# Altium PCB ARES_R06_Power.PcbDoc (part 3 of 4)
Units mm, origin at the board's own origin, x right, y up, seen from the top; angles counter-clockwise.
Board outline 75.45 x 77.99 mm, 6 copper layers (Top Layer, Mid Layer 1, Mid Layer 2, Mid Layer 3, Mid Layer 4, Bottom Layer), stack 1.58 mm thick; 168 components, 103 nets, 519 pads, 415 vias.
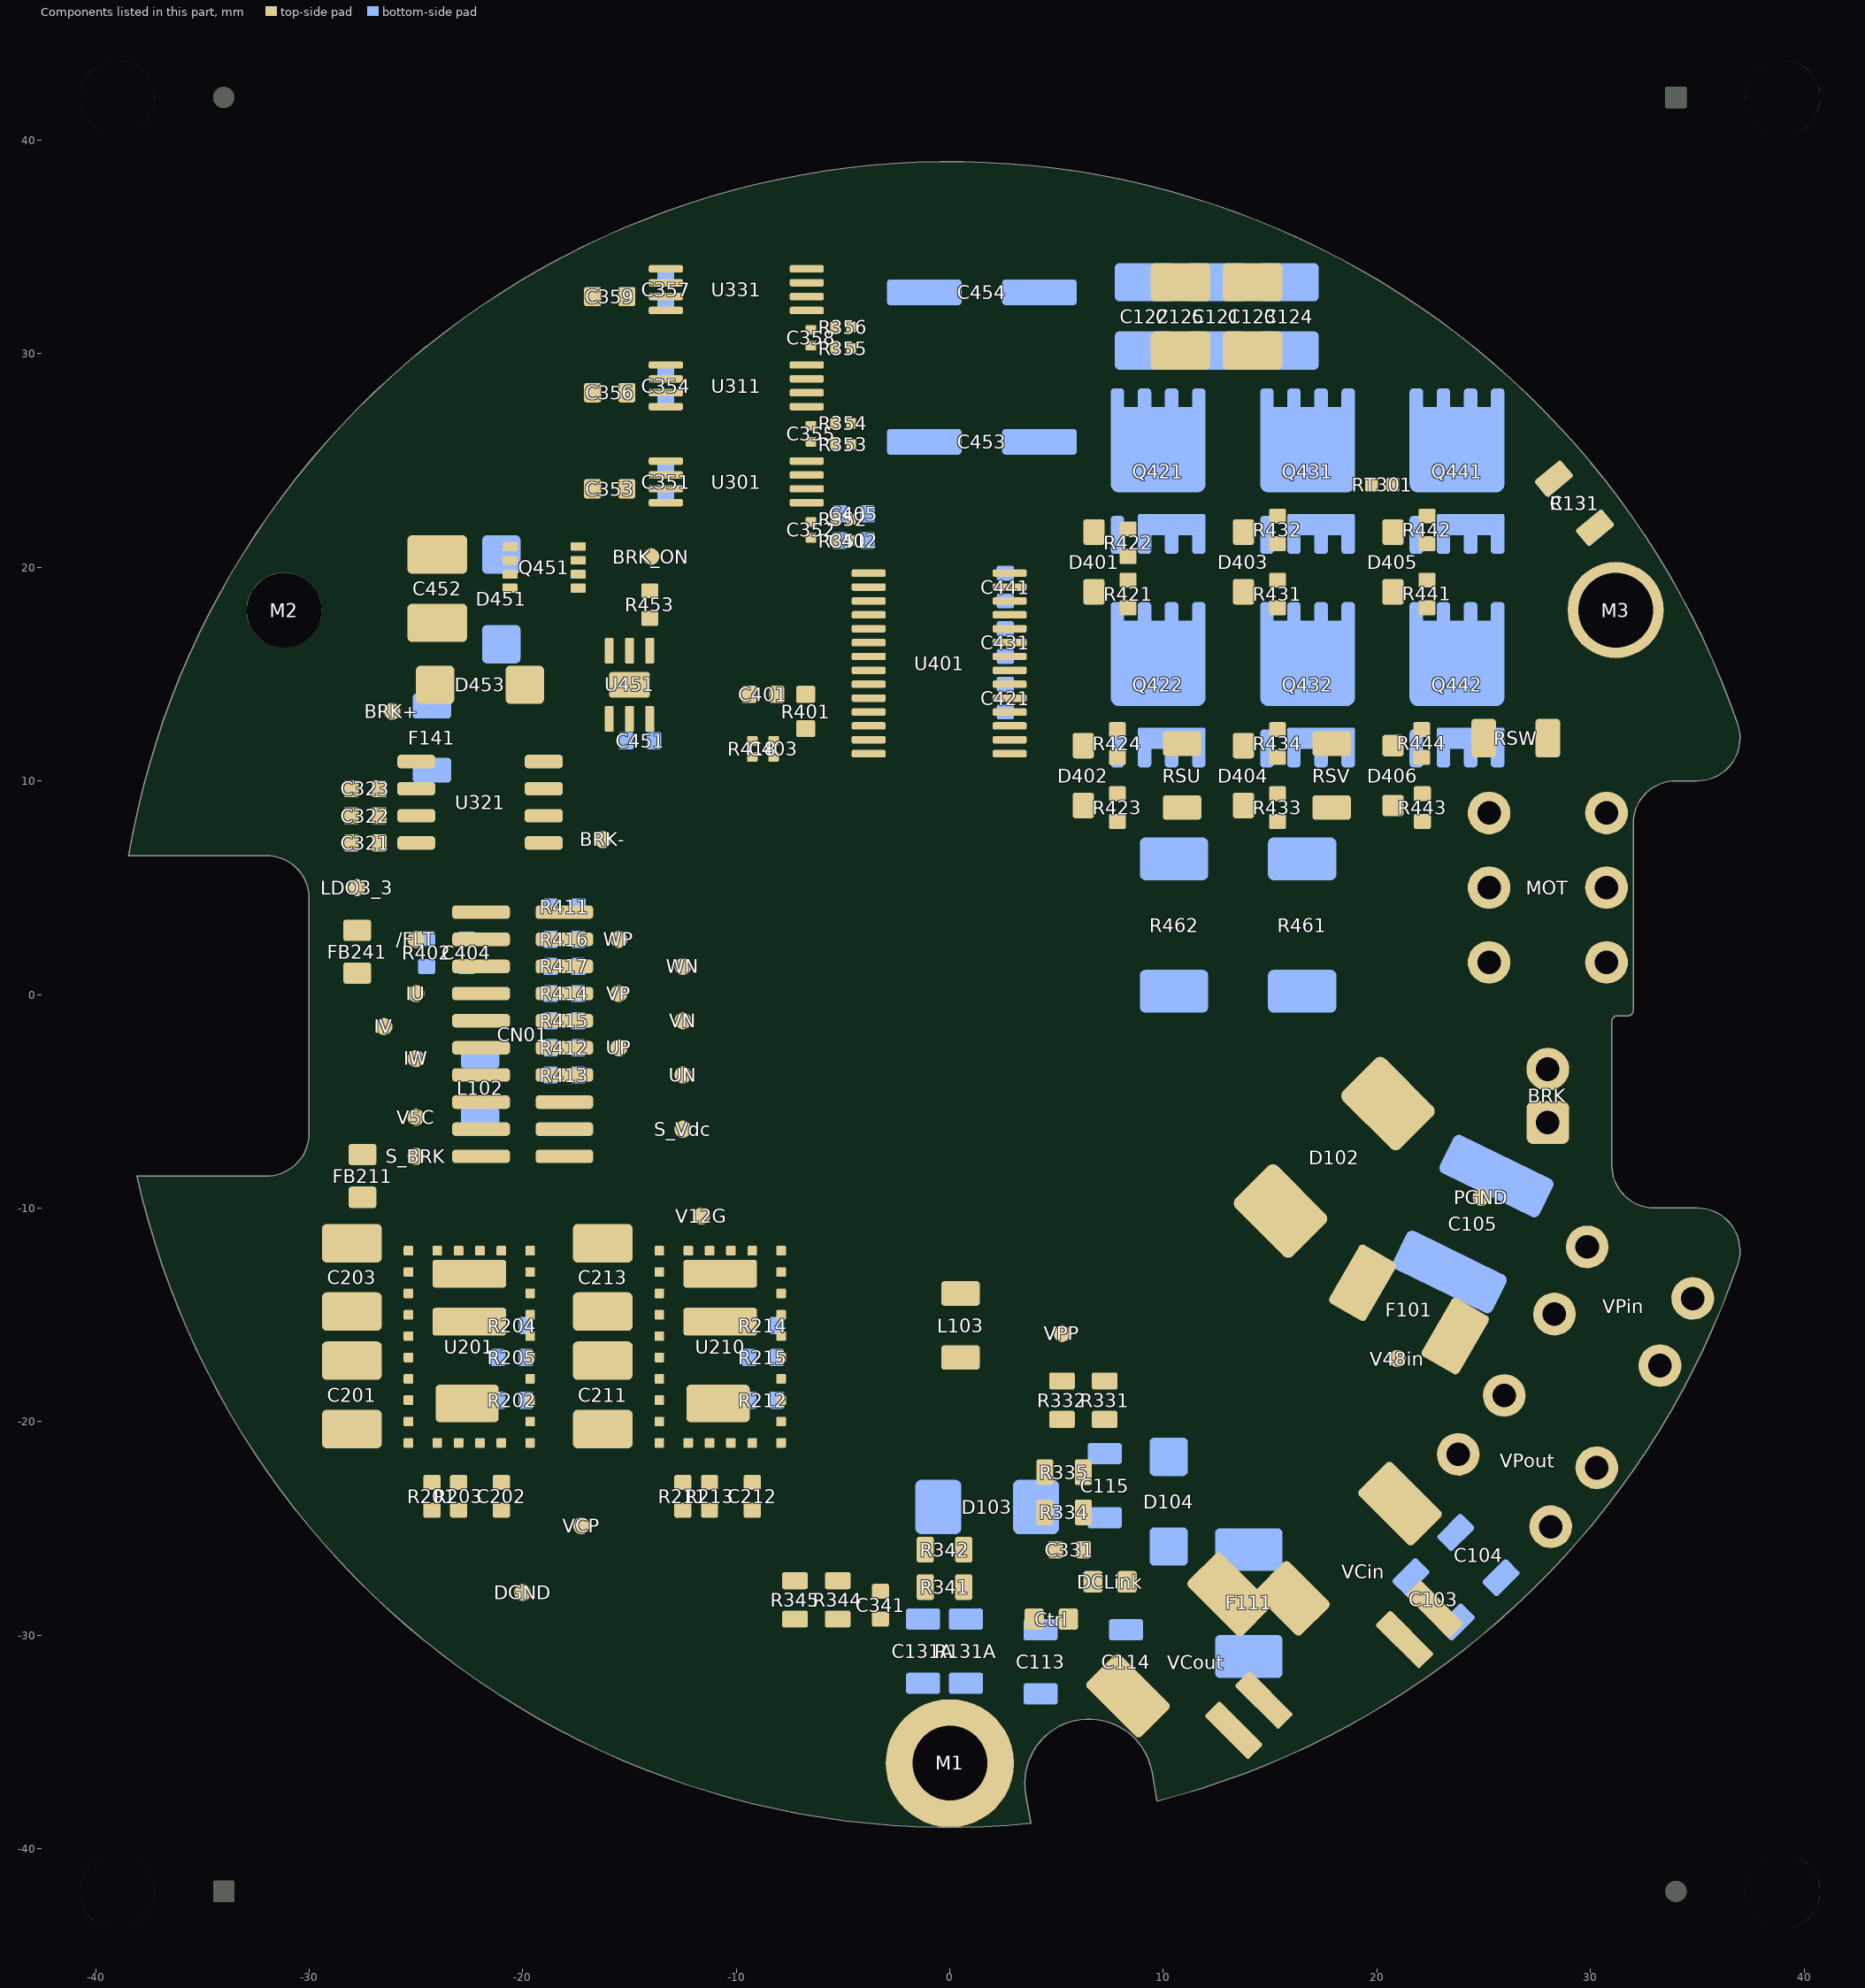
[diagram p7: the components of this part, seen from the top]

## Other copper
Top Layer:
  region net +12V: -3.125,19.5 ccw(c-3.125,19.625) -3,19.625 -3,20.4 ccw(c-3.3,20.4) -3.3,20.7 -3.8,20.7 ccw(c-3.8,20.35) -4.15,20.35 -4.15,20.15 cw(c-4.3,20.15) -4.3,20 -4.5,20 ccw(c-4.5,19.9) -4.6,19.9 -4.6,19.6 ccw(c-4.5,19.6) -4.5,19.5
  region net PGND: 22.082,-9.952 24.749,-7.285 ccw(c23.703,-6.239) 24.751,-5.194 21.033,-1.467 16.967,-5.533 20.895,-9.461
  region net V48P: 10.375,-15 cw(c9.47,-14.095) 9.47,-15.375 5,-15.375 ccw(c5,-15.875) 4.5,-15.875 4.5,-18.25 ccw(c4.75,-18.25) 4.75,-18.5 13.375,-18.5 13.375,-14.375 11,-14.375 10.75,-14.625
  region net V48P: 16.5,-8 21,-12.5 21,-12.698 cw(c20.574,-12.698) 20.875,-13 17.625,-18.5 cw(c16.418,-17.293) 16.418,-19 14.052,-19 cw(c14.052,-16.46) 12.256,-18.256 9.875,-15.875 7.125,-15.875 15,-8 cw(c15.75,-8.75)
  pour cut-out: 8.5,-28.5 6.671,-28.5 ccw(c6.671,-28.862) 6.308,-28.862 6.308,-31.892 cw(c5.9,-31.892) 5.9,-32.3 5.6,-32.3 cw(c5.6,-30.8) 4.1,-30.8 4.1,-28.55 cw(c4.7,-28.55) 4.7,-27.95 8.4,-27.95 cw(c8.4,-28.05) 8.5,-28.05
  pour cut-out: -3.279,-31.071 ccw(c-4.393,-31.071) -4.393,-29.958 -7.75,-29.958 cw(c-7.75,-29.55) -8.158,-29.55 cw(c-7.458,-29.55) -7.458,-28.85 -2.65,-28.85 cw(c-2.65,-29.25) -2.25,-29.25 -2.25,-31.2 cw(c-2.5,-31.2) -2.5,-31.45
  pour cut-out: 4.55,-25.55 ccw(c4.65,-25.55) 4.65,-25.65 5.2,-25.65 cw(c5.2,-25.8) 5.35,-25.8 5.35,-26.601 cw(c5.251,-26.601) 5.251,-26.7 5.2,-26.7 ccw(c5.2,-26.85) 5.05,-26.85 cw(c4.7,-26.85) 4.7,-27.2 5.3,-27.2 ccw(c5.3,-26.7) 5.8,-26.7 5.8,-25.3 ccw(c5.5,-25.3) 5.5,-25 4.6,-25 ccw(c4.6,-25.05) 4.55,-25.05
  pour cut-out: -3.635,-23.55 -3.635,-26.168 ccw(c-2.942,-26.168) -2.942,-26.862 cw(c-2.942,-27.003) -2.8,-27.003 -2.8,-27.155 cw(c-2.937,-27.155) -2.938,-27.292 -2.342,-27.292 ccw(c-2.342,-27.2) -2.25,-27.2 -2.25,-26.65 ccw(c-2.3,-26.65) -2.3,-26.6 -2.85,-26.6 cw(c-2.85,-26.25) -3.2,-26.25 -3.2,-23.75 cw(c-3.15,-23.75) -3.15,-23.7 ccw(c-3.3,-23.7) -3.3,-23.55
  region net V24C: -0.875,-28.375 ccw(c-0.875,-28.25) -0.75,-28.25 -0.75,-22.75 ccw(c-1.25,-22.75) -1.25,-22.25 -2.5,-22.25 ccw(c-2.5,-22.875) -3.125,-22.875 -3.125,-26 ccw(c-2.75,-26) -2.75,-26.375 -2.25,-26.375 cw(c-2.25,-26.625) -2,-26.625 -2,-28.125 ccw(c-1.75,-28.125) -1.75,-28.375
  region net V48P: -22,24 cw(c-21.5,24) -21.5,24.5 -20,24.5 cw(c-20,24) -19.5,24 -19.5,23 cw(c-19.875,23) -19.875,22.625 -21.5,22.625 cw(c-21.5,23.125) -22,23.125
  region net PGND: -22.5,19.875 -22.5,24.25 ccw(c-22.75,24.25) -22.75,24.5 -25.25,24.5 ccw(c-25.25,24.25) -25.5,24.25 -25.5,19.875 ccw(c-25.25,19.875) -25.25,19.625 -22.75,19.625 ccw(c-22.75,19.875)
  region net BRK+: -25.125,18.375 -22.75,18.375 cw(c-22.75,18.125) -22.5,18.125 -22.5,13.125 cw(c-22.75,13.125) -22.75,12.875 -26.75,12.875 cw(c-26.75,13.125) -27,13.125 -27,15.125 cw(c-26.75,15.125) -26.75,15.375 -25.625,15.375 ccw(c-25.625,15.625) -25.375,15.625 -25.375,18.125 cw(c-25.125,18.125)
  region net +3.3V: -28.25,2.5 -26.5,2.5 ccw(c-26.5,2.75) -26.25,2.75 -26.25,4.5 cw(c-26,4.5) -26,4.75 ccw(c-26,5.25) -25.5,5.25 -25.5,6.25 cw(c-25.25,6.25) -25.25,6.5 -24.25,6.5 ccw(c-24.25,6.75) -24,6.75 -24,7.25 ccw(c-24.25,7.25) -24.25,7.5 -27,7.5 ccw(c-27,7.375) -27.125,7.375 -27.125,6.25 cw(c-27.375,6.25) -27.375,6 -28.25,6 ccw(c-28.25,5.75) -28.5,5.75 -28.5,2.75 ccw(c-28.25,2.75)
  region net BRK-: -20.75,6.75 cw(c-20.75,7) -21,7 -21,8.5 cw(c-20.75,8.5) -20.75,8.75 -15.5,8.75 cw(c-15.5,8.5) -15.25,8.5 -15.25,7 cw(c-15.5,7) -15.5,6.75
  region net PGND: -17.75,18.25 ccw(c-17.5,18.25) -17.5,18 -16,18 ccw(c-16,18.25) -15.75,18.25 -15.75,20.25 ccw(c-16,20.25) -16,20.5 -17.5,20.5 ccw(c-17.5,20.25) -17.75,20.25
  region net BRKout: -21,21.75 cw(c-20.75,21.75) -20.75,22 -18.75,22 cw(c-18.75,21.75) -18.5,21.75 -18.5,14.25 ccw(c-18.25,14.25) -18.25,14 cw(c-18.25,13.75) -18,13.75 -18,9.5 cw(c-18.25,9.5) -18.25,9.25 -20.75,9.25 cw(c-20.75,9.5) -21,9.5
  region net +5V: -20.625,3.625 -20.625,4.75 ccw(c-20.875,4.75) -20.875,5 -24,5 ccw(c-24,4.625) -24.375,4.625 -24.375,3.875 ccw(c-24,3.875) -24,3.5 -20.75,3.5 ccw(c-20.75,3.625)
  region net MOT_U: 30.5,2.75 cw(c30.5,1.5) 31.75,1.5 cw(c30.625,1.5) 30.625,0.375 15.625,0.375 9.177,6.823 cw(c9.603,7.25) 9,7.25 9,8.875 cw(c9.5,8.875) 9.5,9.375 11.323,9.375 cw(c11.323,8.647) 11.838,9.162 11.875,9.125 18.25,2.75
  region net MOT_V: 30.75,6.25 cw(c30.75,5.25) 31.75,5.25 31.75,4.875 cw(c30.75,4.875) 30.75,3.875 19.125,3.875 16.625,6.375 16.625,9 cw(c17,9) 17,9.375 18.625,9.375 21,7 22.25,7 23,6.25
  pour cut-out: 23.75,27.125 24.75,27.125 ccw(c24.75,27.75) 25.375,27.75 ccw(c23.263,27.75) 24.756,29.244 24.625,29.375 24.689,29.375 cw(c24.689,26.814) 26.5,28.625 cw(c26.5,28.375) 26.75,28.375 26.75,26.375 24.25,26.375 cw(c24.25,26.875) 23.75,26.875
  region net V24C: -26.375,-19.375 ccw(c-26.375,-19.25) -26.25,-19.25 -26.25,-18.875 cw(c-26.125,-18.875) -26.125,-18.75 -25.25,-18.75 cw(c-25.25,-18.875) -25.125,-18.875 -25.125,-21.875 cw(c-25.25,-21.875) -25.25,-22 -29.375,-22 cw(c-29.375,-21.875) -29.5,-21.875 -29.5,-19.5 cw(c-29.375,-19.5) -29.375,-19.375
  region net V24C: -14.625,-19.375 ccw(c-14.625,-19.25) -14.5,-19.25 -14.5,-18.875 cw(c-14.375,-18.875) -14.375,-18.75 -13.5,-18.75 cw(c-13.5,-18.875) -13.375,-18.875 -13.375,-21.875 cw(c-13.5,-21.875) -13.5,-22 -17.625,-22 cw(c-17.625,-21.875) -17.75,-21.875 -17.75,-19.5 cw(c-17.625,-19.5) -17.625,-19.375
  region net +12V: -14.5,-15.125 ccw(c-14.375,-15.125) -14.375,-15.25 -13.5,-15.25 ccw(c-13.5,-15.125) -13.375,-15.125 -13.375,-13.875 cw(c-13.25,-13.875) -13.25,-13.75 -9.125,-13.75 ccw(c-9.125,-13.625) -9,-13.625 -9,-9.75 ccw(c-9.125,-9.75) -9.125,-9.625 -17.225,-9.625 ccw(c-17.225,-10.05) -17.65,-10.05 -17.65,-12.35 ccw(c-17.375,-12.35) -17.375,-12.625 -14.625,-12.625 cw(c-14.625,-12.75) -14.5,-12.75
  region net V48P: 9,31.125 18.125,31.125 cw(c18.125,30.5) 18.75,30.5 18.75,25.2 cw(c18.3,25.2) 18.3,24.75 14.25,24.75 9,24.75 cw(c9,25.25) 8.5,25.25 8.5,30.625 cw(c9,30.625)
  region net PH_V: 18.75,13.75 18.75,21.25 ccw(c18.25,21.25) 18.25,21.75 17.25,21.75 ccw(c17.25,21.25) 16.75,21.25 16.75,17.25 cw(c16.25,17.25) 16.25,16.75 15.25,16.75 ccw(c15.25,16.25) 14.75,16.25 14.75,15.25 ccw(c15.25,15.25) 15.25,14.75 15.75,14.75 cw(c15.75,13.5) 17,13.5 17,11.25 ccw(c17.125,11.25) 17.125,11.125 18.375,11.125 ccw(c18.375,11.5) 18.75,11.5
  region net PH_U: 11.75,13.75 11.75,21.25 ccw(c11.25,21.25) 11.25,21.75 10.25,21.75 ccw(c10.25,21.25) 9.75,21.25 9.75,17.25 cw(c9.25,17.25) 9.25,16.75 8.25,16.75 ccw(c8.25,16.25) 7.75,16.25 7.75,15.25 ccw(c8.25,15.25) 8.25,14.75 8.75,14.75 cw(c8.75,13.5) 10,13.5 10,11.25 ccw(c10.125,11.25) 10.125,11.125 11.375,11.125 ccw(c11.375,11.5) 11.75,11.5
  region net DGND: -12.125,-20.125 -9.625,-20.125 ccw(c-9.625,-19.75) -9.25,-19.75 -9.25,-16.875 ccw(c-9.375,-16.875) -9.375,-16.75 -13,-16.75 cw(c-13,-16.375) -13.375,-16.375 -13.375,-15.875 ccw(c-13.5,-15.875) -13.5,-15.75 -14.75,-15.75 cw(c-14.75,-15.625) -14.875,-15.625 -14.875,-14.125 ccw(c-15.125,-14.125) -15.125,-13.875 -17.563,-13.875 cw(c-17.563,-13.488) -17.95,-13.488 -18.238,-13.488 ccw(c-18.238,-13.625) -18.375,-13.625 -18.375,-15.375 ccw(c-18.25,-15.375) -18.25,-15.5 -18.25,-18.5 -18,-18.5 cw(c-17.75,-18.5) -17.75,-18.25 -12.75,-18.25 cw(c-12.75,-18.5) -12.5,-18.5 -12.5,-19.75 ccw(c-12.125,-19.75)
  region net DGND: -24,-20.125 -21.25,-20.125 ccw(c-21.25,-19.875) -21,-19.875 -21,-16.875 ccw(c-21.125,-16.875) -21.125,-16.75 -24.75,-16.75 cw(c-24.75,-16.375) -25.125,-16.375 -25.125,-15.875 ccw(c-25.25,-15.875) -25.25,-15.75 -26.5,-15.75 cw(c-26.5,-15.625) -26.625,-15.625 -26.625,-14.125 ccw(c-26.875,-14.125) -26.875,-13.875 -29.313,-13.875 cw(c-29.313,-13.488) -29.7,-13.488 -29.988,-13.488 ccw(c-29.988,-13.625) -30.125,-13.625 -30.125,-15.375 ccw(c-30,-15.375) -30,-15.5 -30,-18.5 -29.75,-18.5 cw(c-29.5,-18.5) -29.5,-18.25 -24.5,-18.25 cw(c-24.5,-18.5) -24.25,-18.5 -24.25,-19.875 ccw(c-24,-19.875)
  region net NetC203_2: -20.875,-10.125 cw(c-20.875,-10.375) -20.625,-10.375 -20.625,-13.625 cw(c-20.75,-13.625) -20.75,-13.75 -25,-13.75 ccw(c-25,-13.875) -25.125,-13.875 -25.125,-15.125 cw(c-25.25,-15.125) -25.25,-15.25 -25.875,-15.25 cw(c-25.875,-15.125) -26,-15.125 -26,-12.625 ccw(c-26.125,-12.625) -26.125,-12.5 -29.375,-12.5 cw(c-29.375,-12.375) -29.5,-12.375 -29.5,-9.125 cw(c-29.375,-9.125) -29.375,-9 -26.25,-9 cw(c-26.25,-9.25) -26,-9.25 -26,-9.75 ccw(c-25.625,-9.75) -25.625,-10.125
  region net +5V: -28.25,-5.875 -26.25,-5.875 -26.25,-7.875 cw(c-26.375,-7.875) -26.375,-8 -28.25,-8 cw(c-28.25,-7.75) -28.5,-7.75 -28.5,-6.125 cw(c-28.25,-6.125)
  region net MOT_W: 27.25,12.75 cw(c27.5,12.75) 27.5,13 31.25,13 cw(c31.25,12.5) 31.75,12.5 31.75,8 cw(c31,8) 31,7.25 24.875,7.25 cw(c24.875,7.875) 24.25,7.875 24.25,9 cw(c24.75,9) 24.75,9.5 26.5,9.5 ccw(c26.5,10.25) 27.25,10.25
  region net PGND: 27.206,-12.247 28.778,-9.023 36.253,-12.669 36.226,-13.168 34.898,-15.999 cw(c35.016,-14.064) 33.564,-15.348
  pour cut-out: 15.247,32.375 18.375,32.375 ccw(c18.375,33) 19,33 19,33.5 23.75,33.5 cw(c23.75,31.75) 25.5,31.75 25.5,25.25 cw(c24.75,25.25) 24.75,24.5 15.287,24.5
  region net V48P: 21.823,31.125 cw(c21.823,28.586) 23.619,30.381 24.881,29.119 cw(c23.086,27.323) 25.625,27.323 25.625,24.25 cw(c25.125,24.25) 25.125,23.75 22.125,23.75 cw(c22.125,24.25) 21.625,24.25 21.625,25.125 ccw(c21.25,25.125) 21.25,25.5 19.125,25.5 ccw(c19.125,25.125) 18.75,25.125 cw(c18.375,25.125) 18.375,24.75 16.5,24.75 16.5,30.625 cw(c17,30.625) 17,31.125
  region net PH_W: 25.75,13.75 25.75,21.25 ccw(c25.25,21.25) 25.25,21.75 24.25,21.75 ccw(c24.25,21.25) 23.75,21.25 23.75,17.25 cw(c23.25,17.25) 23.25,16.75 22.25,16.75 ccw(c22.25,16.25) 21.75,16.25 21.75,15.25 ccw(c22.25,15.25) 22.25,14.75 22.75,14.75 cw(c22.75,13.5) 24,13.5 24,11.25 ccw(c24.125,11.25) 24.125,11.125 25.375,11.125 ccw(c25.375,11.5) 25.75,11.5
  region net V48in: 19.973,-18.08 22.585,-12.729 cw(c23.936,-13.388) 24.596,-12.037 27.191,-13.303 27.205,-13.343 cw(c25.592,-13.899) 27.125,-14.648 26.428,-16.078 26.151,-16.173 ccw(c26.706,-17.786) 25.172,-17.039 24.252,-18.926 ccw(c25.065,-19.323) 24.21,-19.618 24.64,-20.869 ccw(c25.044,-20.73) 24.857,-21.113 28.85,-24.15 cw(c28.117,-24.893) 27.6,-25.8 20.522,-20.4 cw(c21.663,-18.905)
  region net V48in: 24.638,-12.793 23.688,-14.741 31.202,-18.406 ccw(c32.316,-16.123) 33.143,-18.525 33.33,-18.46 ccw(c32.839,-17.036) 34.193,-17.696 34.23,-17.62 ccw(c33.847,-17.433) 34.25,-17.294 34.138,-16.969 ccw(c33.332,-17.247) 33.705,-16.48 25.521,-12.489 ccw(c25.232,-13.082)
  pour cut-out: 16.375,32.375 7.375,32.375 ccw(c7.375,31.5) 6.5,31.5 6.5,25.875 cw(c5.25,25.875) 5.25,24.625 13.835,24.625 ccw(c13.835,27.165) 16.375,27.165
  pour cut-out: 30.5,-1.375 ccw(c29.75,-1.375) 29.75,-0.625 30.5,-0.625
  pour cut-out: -21.125,25 -24.885,25 ccw(c-24.885,24.125) -25.76,24.125 -25.76,21.885 ccw(c-25.552,21.885) -25.552,21.677 -22.19,21.677 -22.19,21.81 cw(c-21.885,21.81) -21.885,22.115 -19.885,22.115 ccw(c-19.885,23) -19,23 -19,24.109 ccw(c-19.901,24.109) -19.901,25.01
  pour cut-out: -18.99,23.325 -18.99,22.545 ccw(c-18.7,22.545) -18.7,22.255 cw(c-18.7,21.8) -18.245,21.8 -18.245,21.672 ccw(c-18.055,21.672) -18.055,21.482 -16.064,21.482 ccw(c-16.064,21.8) -15.746,21.8 -15.746,22.746 ccw(c-15.925,22.746) -15.925,22.925 -15.675,22.925 cw(c-15.675,22.625) -15.375,22.625 -15.375,21.375 cw(c-15.625,21.375) -15.625,21.125 -18.812,21.125 cw(c-18.812,21.512) -19.2,21.512 -19.2,23.115 cw(c-18.99,23.115)
  pour cut-out: -17.65,17.5 ccw(c-17.65,16.905) -18.245,16.905 -18.245,20.75 -14.75,20.75 cw(c-14.75,20.5) -14.5,20.5 -14.5,17.125 -14.666,17.125 cw(c-14.666,17.186) -14.728,17.186 ccw(c-15.041,17.186) -15.041,17.5
  region net FG1: 32.433,21.351 31.177,22.68 ccw(c30.837,22.36) 30.537,22.719 29.375,21.75 29,20 29,18 33.375,18 33.25,18.875
  pour cut-out: 1.358,-25.536 1.358,-26.608 ccw(c1.95,-26.608) 1.95,-27.2 -0.475,-27.2 cw(c-0.475,-27.125) -0.55,-27.125 -0.55,-24.1 -0.265,-24.1 cw(c-0.265,-24.125) -0.24,-24.125 -0.24,-24.71 ccw(c0.15,-24.71) 0.15,-25.1 0.922,-25.1 cw(c0.922,-25.536)
  pour cut-out: 3.742,-23.75 3.742,-19.867 ccw(c3.375,-19.867) 3.375,-19.5 4.05,-19.5 cw(c4.05,-19.8) 4.35,-19.8 4.35,-23.4 cw(c4,-23.4) 4,-23.75
  pour cut-out: 31.204,-18.974 31.999,-19.77 cw(c31.394,-20.375) 32.25,-20.375 cw(c31.193,-20.375) 31.94,-21.122 31.617,-21.446 31.924,-21.446 ccw(c31.924,-19.924) 33,-21 33,-19.479 ccw(c32.146,-19.479) 32.75,-18.875 ccw(c32.552,-19.073) 32.552,-18.793 31.25,-18.793
  region net FG: -1.5,-39 -1.5,-38.802 ccw(c-1.927,-38.802) -1.625,-38.5 -1.631,-38.494 cw(c0.165,-36.698) -2.375,-36.698 -2.375,-34.875 cw(c-0.866,-36.384) -0.866,-34.25 0.616,-34.25 cw(c0.616,-36.384) 2.125,-34.875 2.125,-38.125 1.677,-38.573 ccw(c2.104,-39) 1.5,-39
  pour cut-out: -7.125,-26.75 -4.742,-26.75 cw(c-4.742,-27.15) -4.342,-27.15 -4.342,-28.158 ccw(c-4.25,-28.158) -4.25,-28.25 -4.125,-28.25 ccw(c-4.125,-28.075) -3.95,-28.075 -3.925,-28.075 cw(c-3.925,-28.25) -3.75,-28.25 -3.75,-28.489 cw(c-3.95,-28.489) -3.95,-28.689 -6.811,-28.689 cw(c-6.811,-28.375) -7.125,-28.375
  region net DGND: 2,-16 -1,-16 -1,-18.125 2,-18.125
  region net PGND: 9,32.375 16.375,32.375 16.375,33.875 14.75,35.5 9.125,35.5 9,35.375
  region net V3_3D: -28.5,0.25 -28.25,0 -26.375,0 -25.5,0.875 -20.625,0.875 -20.5,1 -20.5,1.625 -20.625,1.75 -28.25,1.75 -28.5,1.5
  region net V24in: 13,-32 14.75,-30.25 15.25,-30.25 17,-32 17,-32.5 15.5,-34 15,-34
  region net PGND: 2,-15 -1,-15 -1,-12.875 2,-12.875
  pour cut-out: 19.928,-17.01 19.444,-18.001 19.305,-18.479 19.267,-18.888 18.5,-20.5 20.125,-20.5 20.25,-20.375 20.25,-16.875
  pour cut-out: 5.55,-14.85 3.025,-14.85 2.875,-15 2.875,-18.225 3.3,-18.65 4.125,-18.65 4.5,-18.275 4.5,-15.722 5.022,-15.2 5.55,-15.2
  pour cut-out: 24.819,-11.579 20.4,-9.25 16.4,-9.25 16.65,-9.5 18.1,-9.5 21.144,-12.544 24.843,-12.544
Mid Layer 1:
  region net V48P: -21.5,22.625 cw(c-21.5,23.125) -22,23.125 -22,24.125 cw(c-21.625,24.125) -21.625,24.5 -20,24.5 cw(c-20,24) -19.5,24 -19.5,23 cw(c-19.875,23) -19.875,22.625
  region net PGND: -16.5,20.375 cw(c-16.5,20) -16.125,20 -16.125,18.5 cw(c-16.5,18.5) -16.5,18.125 -24.875,18.125 cw(c-24.875,18.5) -25.25,18.5 -25.25,24.125 cw(c-24.875,24.125) -24.875,24.5 -23.125,24.5 cw(c-23.125,24.125) -22.75,24.125 -22.75,22 ccw(c-21.125,22) -21.125,20.375
  region net PH_U: 9.25,14.75 cw(c9.25,14.25) 9.75,14.25 ccw(c10.25,14.25) 10.25,13.75 11.25,13.75 ccw(c11.25,14.25) 11.75,14.25 11.75,21.25 ccw(c11.25,21.25) 11.25,21.75 10.25,21.75 ccw(c10.25,21.25) 9.75,21.25 9.75,17.25 cw(c9.25,17.25) 9.25,16.75 8.25,16.75 ccw(c8.25,16.25) 7.75,16.25 7.75,15.25 ccw(c8.25,15.25) 8.25,14.75
  region net PH_V: 16.25,14.75 cw(c16.25,14.25) 16.75,14.25 ccw(c17.25,14.25) 17.25,13.75 18.25,13.75 ccw(c18.25,14.25) 18.75,14.25 18.75,21.25 ccw(c18.25,21.25) 18.25,21.75 17.25,21.75 ccw(c17.25,21.25) 16.75,21.25 16.75,17.25 cw(c16.25,17.25) 16.25,16.75 15.25,16.75 ccw(c15.25,16.25) 14.75,16.25 14.75,15.25 ccw(c15.25,15.25) 15.25,14.75
  region net PH_W: 22.25,13.75 25.25,13.75 ccw(c25.25,14.25) 25.75,14.25 25.75,21.25 ccw(c25.25,21.25) 25.25,21.75 24.25,21.75 ccw(c24.25,21.25) 23.75,21.25 23.75,17.25 cw(c23.25,17.25) 23.25,16.75 22.25,16.75 ccw(c22.25,16.25) 21.75,16.25 21.75,14.25 ccw(c22.25,14.25)
  region net PGND: 26.5,27.043 26.5,26.7 ccw(c27.6,26.7) 27.6,25.6 28.759,25.6 cw(c28.759,25.259) 29,25.5 29.412,25.088 cw(c28.715,24.392) 29.7,24.392 29.7,24.1 cw(c29.35,24.1) 29.35,23.75 27.25,23.75 ccw(c27.25,23) 26.502,22.95 26.15,22.95 26.15,27.05
  pour cut-out: -21.125,25 -24.885,25 ccw(c-24.885,24.125) -25.76,24.125 -25.76,21.885 ccw(c-25.552,21.885) -25.552,21.677 -22.19,21.677 -22.19,21.81 cw(c-21.885,21.81) -21.885,22.115 -19.885,22.115 ccw(c-19.885,23) -19,23 -19,24.109 ccw(c-19.901,24.109) -19.901,25.01
  region net V24C: -3.125,-22.75 cw(c-2.625,-22.75) -2.625,-22.25 -1.75,-22.25 cw(c-1.75,-22.75) -1.25,-22.75 -1.25,-24.5 cw(c-1.75,-24.5) -1.75,-25 ccw(c-1.75,-25.375) -2.125,-25.375 cw(c-2.625,-25.375) -2.625,-25.875 cw(c-2.625,-25.375) -3.125,-25.375
  pour cut-out: -19.638,-2.622 ccw(c-19.443,-2.622) -19.443,-2.817 -17.252,-2.817 ccw(c-17.252,-2.622) -17.057,-2.622 -16.878,-2.622 cw(c-16.878,-2.75) -16.75,-2.75 -16.75,-3.125 cw(c-16.875,-3.125) -16.875,-3.25 -19.5,-3.25 cw(c-19.5,-2.933) -19.817,-2.933
  region net +5V: -23.125,3.5 ccw(c-23.125,3.75) -22.875,3.75 -22.875,4.75 ccw(c-23.125,4.75) -23.125,5 -24.125,5 ccw(c-24.125,4.75) -24.375,4.75 -24.375,3.75 ccw(c-24.125,3.75) -24.125,3.5
Mid Layer 2:
  region net V48P: -21.75,24.5 ccw(c-21.75,24.25) -22,24.25 -22,22.875 ccw(c-21.75,22.875) -21.75,22.625 -19.75,22.625 ccw(c-19.75,22.875) -19.5,22.875 -19.5,24.25 ccw(c-19.75,24.25) -19.75,24.5
  pour cut-out: 8.5,34.5 8.5,34.926 cw(c11.037,34.713) 11.25,37.25 8,37.25 8,34.5
  region net PH_U: 9.25,14.75 cw(c9.25,14.25) 9.75,14.25 ccw(c10.25,14.25) 10.25,13.75 11.25,13.75 ccw(c11.25,14.25) 11.75,14.25 11.75,21.25 ccw(c11.25,21.25) 11.25,21.75 10.25,21.75 ccw(c10.25,21.25) 9.75,21.25 9.75,17.25 cw(c9.25,17.25) 9.25,16.75 8.25,16.75 ccw(c8.25,16.25) 7.75,16.25 7.75,15.25 ccw(c8.25,15.25) 8.25,14.75
  region net PH_W: 22.25,13.75 25.25,13.75 ccw(c25.25,14.25) 25.75,14.25 25.75,21.25 ccw(c25.25,21.25) 25.25,21.75 24.25,21.75 ccw(c24.25,21.25) 23.75,21.25 23.75,17.25 cw(c23.25,17.25) 23.25,16.75 22.25,16.75 ccw(c22.25,16.25) 21.75,16.25 21.75,14.25 ccw(c22.25,14.25)
  region net +5V: -21.25,2.75 -21.25,5.75 -22.25,5.75 cw(c-23.125,5.875) -23,5 -24,5 ccw(c-24,4.625) -24.375,4.625 -24.375,3.875 ccw(c-24,3.875) -24,3.5 -23,3.5 cw(c-23.125,2.625) -22.25,2.75
  region net PH_V: 16.25,14.75 cw(c16.25,14.25) 16.75,14.25 ccw(c17.25,14.25) 17.25,13.75 18.25,13.75 ccw(c18.25,14.25) 18.75,14.25 18.75,21.25 ccw(c18.25,21.25) 18.25,21.75 17.25,21.75 ccw(c17.25,21.25) 16.75,21.25 16.75,17.25 cw(c16.25,17.25) 16.25,16.75 15.25,16.75 ccw(c15.25,16.25) 14.75,16.25 14.75,15.25 ccw(c15.25,15.25) 15.25,14.75
  region net PGND: -22.75,24.125 ccw(c-23.125,24.125) -23.125,24.5 -24.875,24.5 ccw(c-24.875,24.125) -25.25,24.125 -25.25,23 ccw(c-24.875,23) -24.875,22.625 -23.125,22.625 ccw(c-23.125,23) -22.75,23
  region net PGND: 26.5,27.043 26.5,26.7 ccw(c27.6,26.7) 27.6,25.6 28.809,25.6 cw(c28.809,25.381) 28.964,25.536 29.446,25.054 cw(c28.832,24.441) 29.7,24.441 29.7,24.1 cw(c29.35,24.1) 29.35,23.75 27.25,23.75 ccw(c27.25,23) 26.502,22.95 26.15,22.95 26.15,27.05
  pour cut-out: 1.942,19.821 1.942,18.828 cw(c1.5,18.828) 1.5,18.387 ccw(c1.5,17.775) 0.888,17.775 0.888,11.275 ccw(c1.5,11.275) 1.5,10.663 2.413,10.663 cw(c2.413,9.913) 2.944,10.444 2.944,19.283 ccw(c2.283,19.283) 2.75,19.75
  pour cut-out: -21.658,25.01 -21.658,30.283 ccw(c-22,30.283) -22,30.625 -23.125,30.625 cw(c-23.125,31) -23.5,31 -21.375,31 cw(c-21.375,30.875) -21.25,30.875 -21.25,25.125 cw(c-21.375,25.125) -21.375,25
  pour cut-out: -24.95,25.01 ccw(c-24.95,24.2) -25.76,24.2 -25.76,22.925 ccw(c-24.95,22.925) -24.95,22.115 -19.7,22.115 ccw(c-19.7,22.825) -18.99,22.825 -18.99,24.158 ccw(c-19.842,24.158) -19.842,25.01
  region net V24C: -3.125,-22.75 cw(c-2.625,-22.75) -2.625,-22.25 -1.75,-22.25 cw(c-1.75,-22.75) -1.25,-22.75 -1.25,-24.5 cw(c-1.75,-24.5) -1.75,-25 ccw(c-1.75,-25.375) -2.125,-25.375 cw(c-2.625,-25.375) -2.625,-25.875 cw(c-2.625,-25.375) -3.125,-25.375
  pour cut-out: 1.439,20.337 3.081,20.337 ccw(c3.081,20.868) 3.613,20.868 3.757,20.868 cw(c3.757,20.625) 4,20.625 4,20.25 cw(c3.625,20.25) 3.625,19.875 1.75,19.875 cw(c1.75,20.125) 1.5,20.125
  pour cut-out: 20.75,19.943 19.818,19.943 ccw(c19.818,19.375) 19.25,19.375 19.25,13.968 ccw(c21.221,13.968) 19.827,12.574 19.706,12.574 cw(c19.706,14.456) 18.375,13.125 18.375,21.375 20.75,21.375
  pour cut-out: 5.089,8.464 ccw(c5.303,8.25) 5,8.25 5,7.033 ccw(c5.581,7.033) 5.17,6.623 5.168,6.625 4.25,6.625 4.25,9.668 cw(c5.957,9.668) 4.75,10.875 cw(c5.957,9.668) 5.957,11.375 8.25,11.375 ccw(c8.25,10.771) 7.823,11.198